# Altium PCB 6inch_mipi_V1.0.PcbDoc
Units mil, origin at the board's own origin, x right, y up, seen from the top; angles counter-clockwise.
Board outline 1181.1 x 1181.1 mil, 4 copper layers (Top Layer, GND, PWR, Bottom Layer), stack 23.756 mil thick; 33 components, 38 nets, 152 pads, 118 vias.
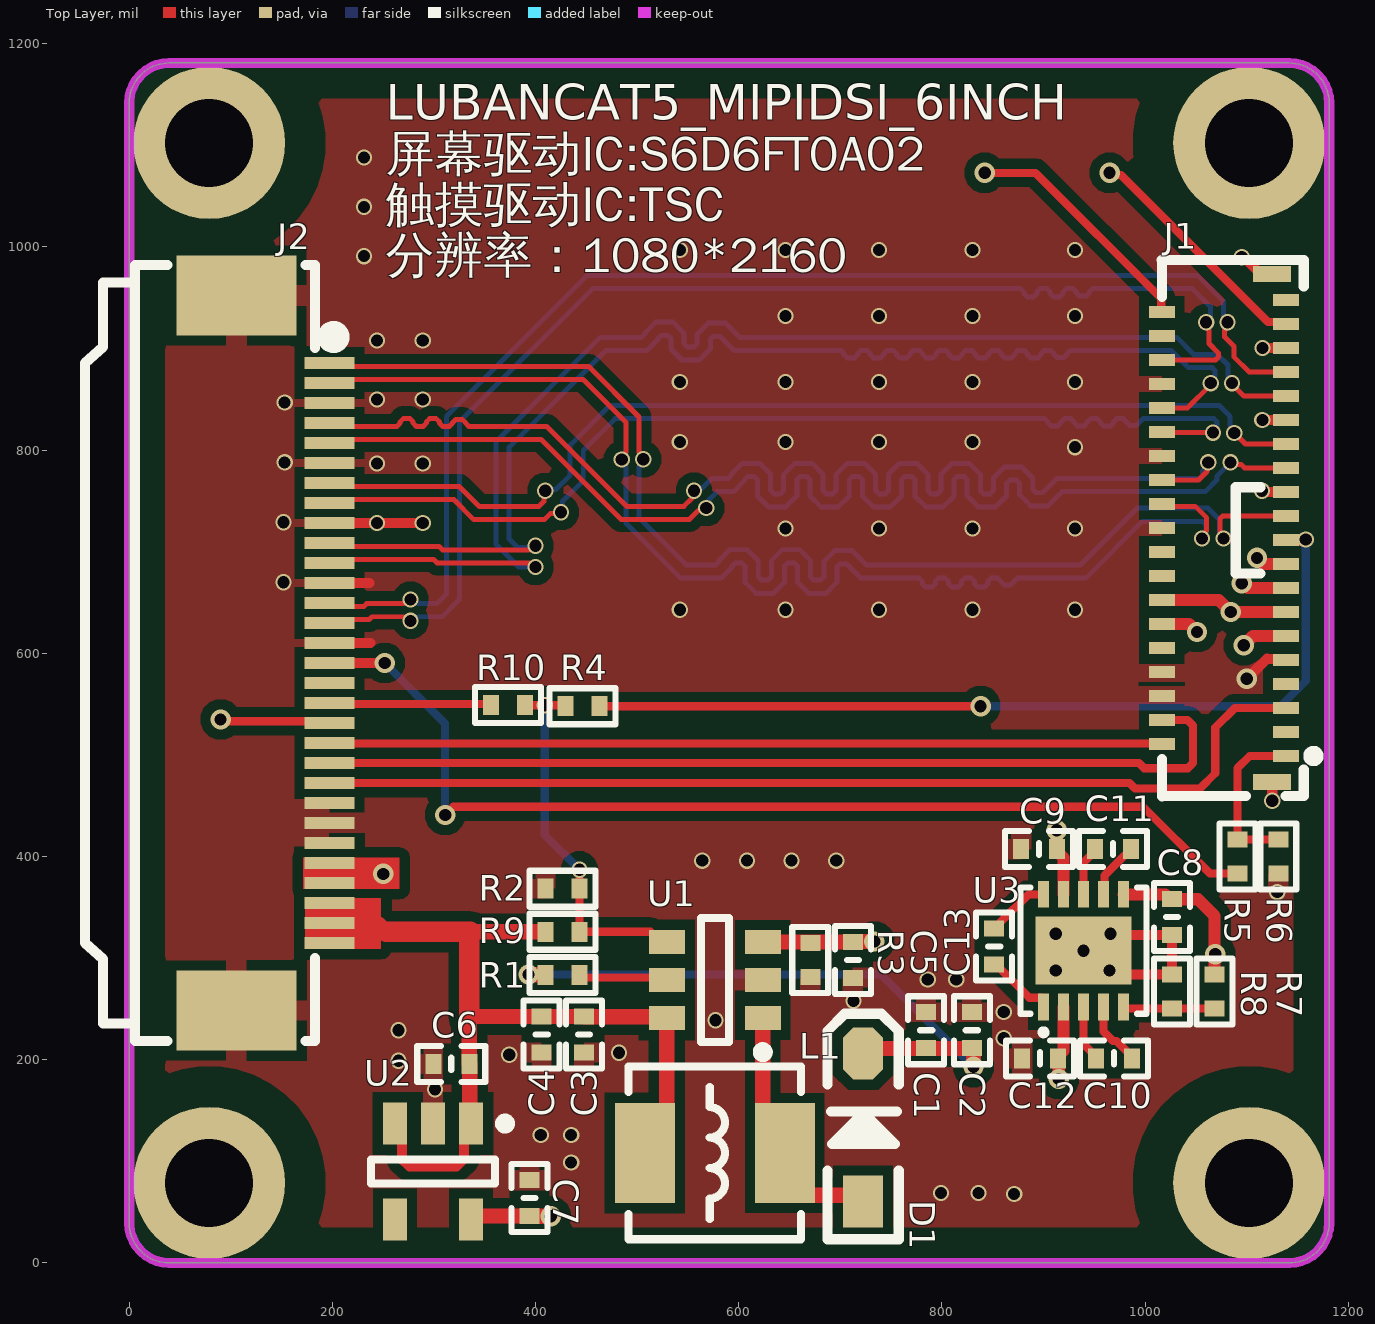
[diagram p0: Top Layer view]
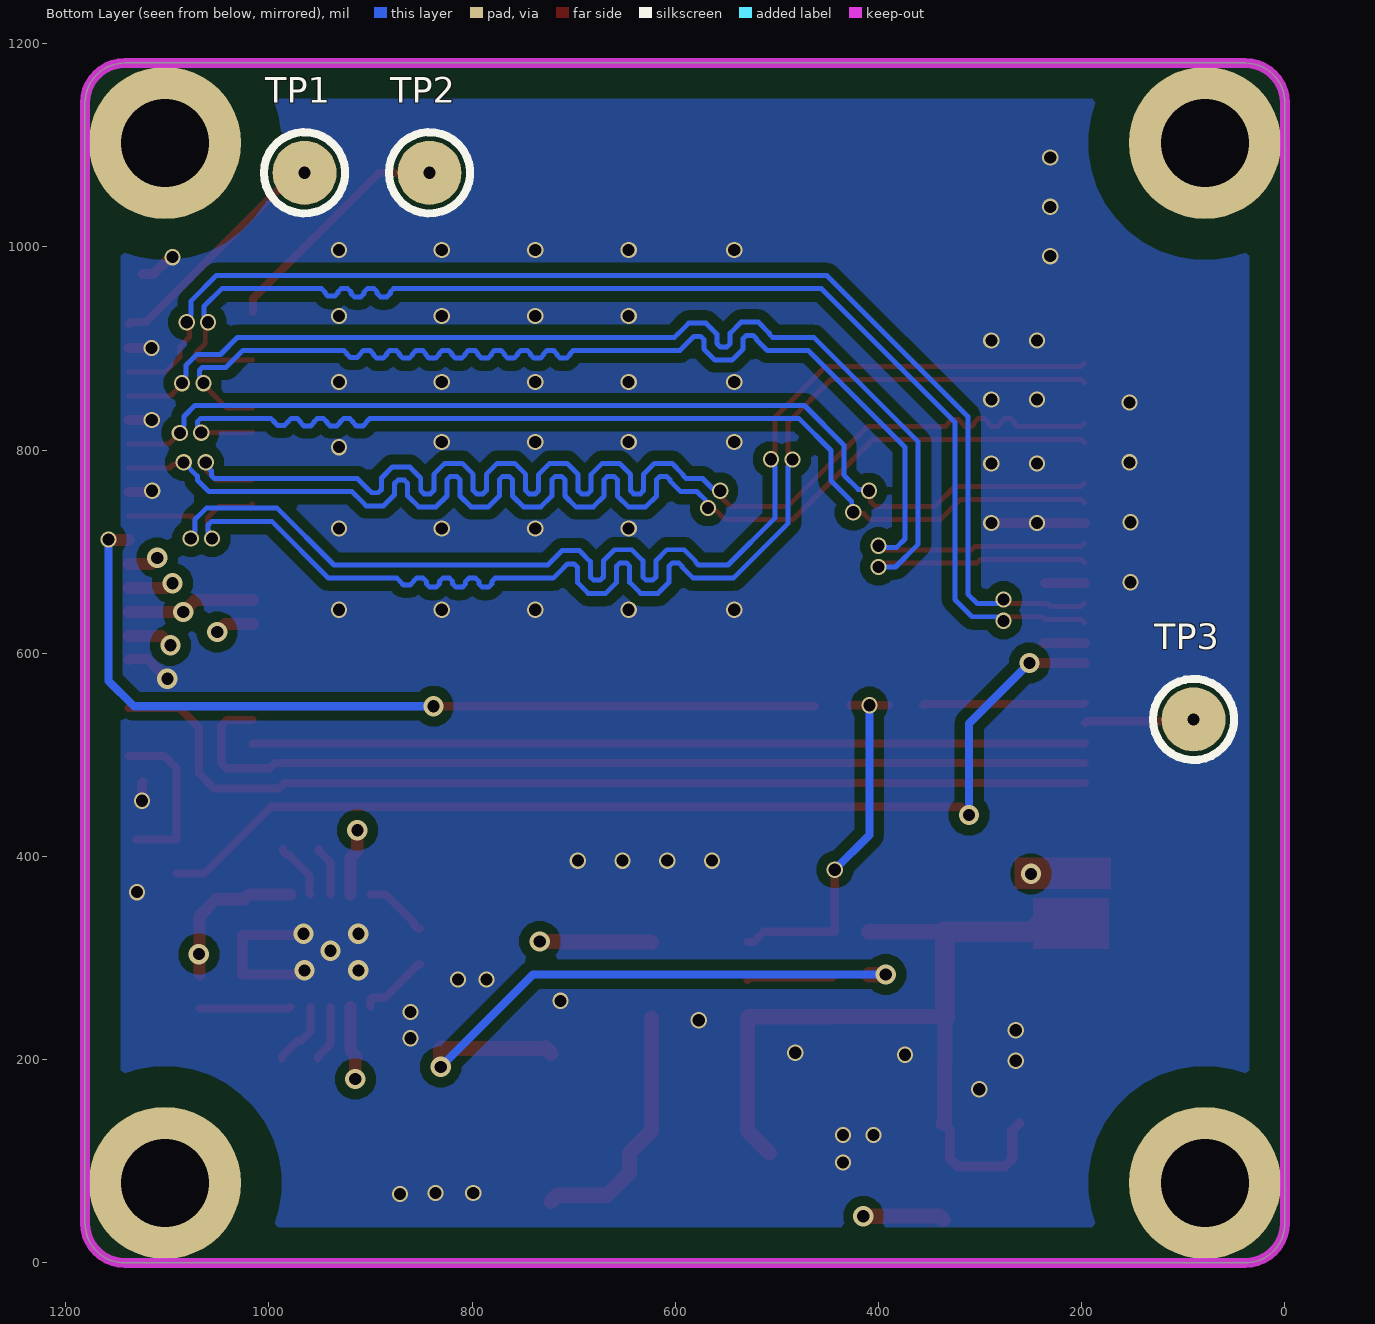
[diagram p1: Bottom Layer view, seen from below]
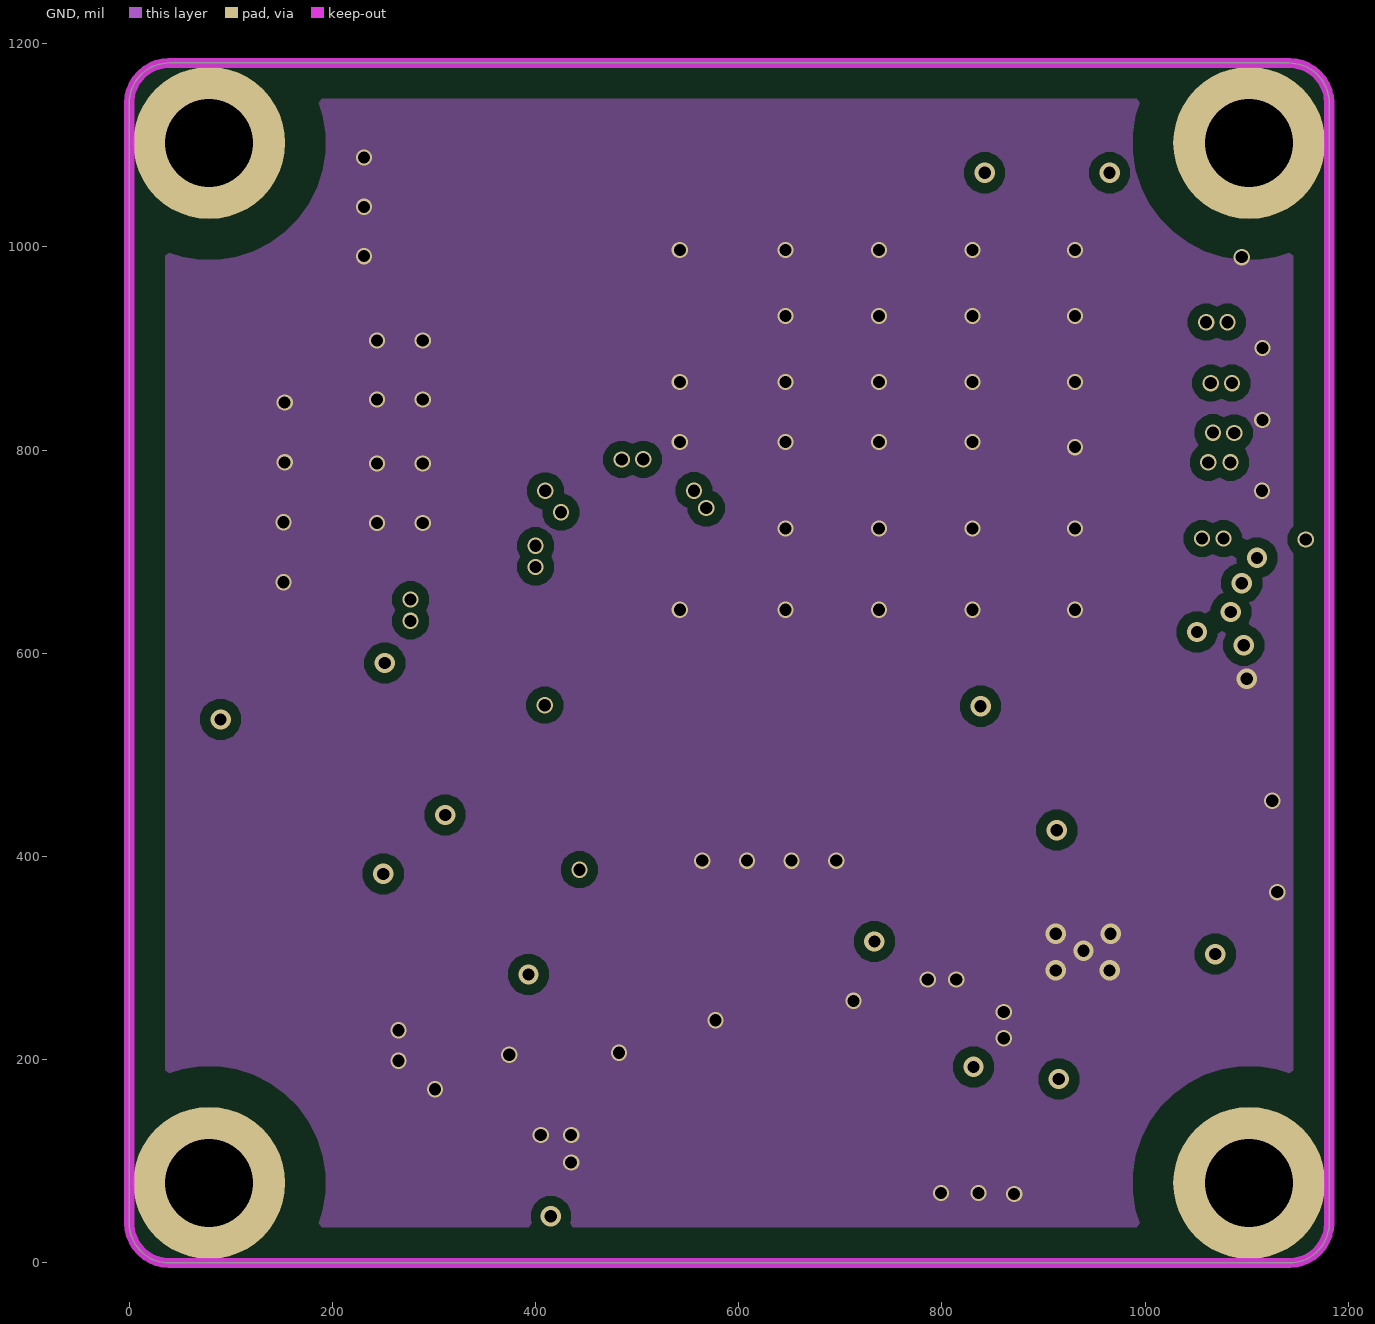
[diagram p2: GND]
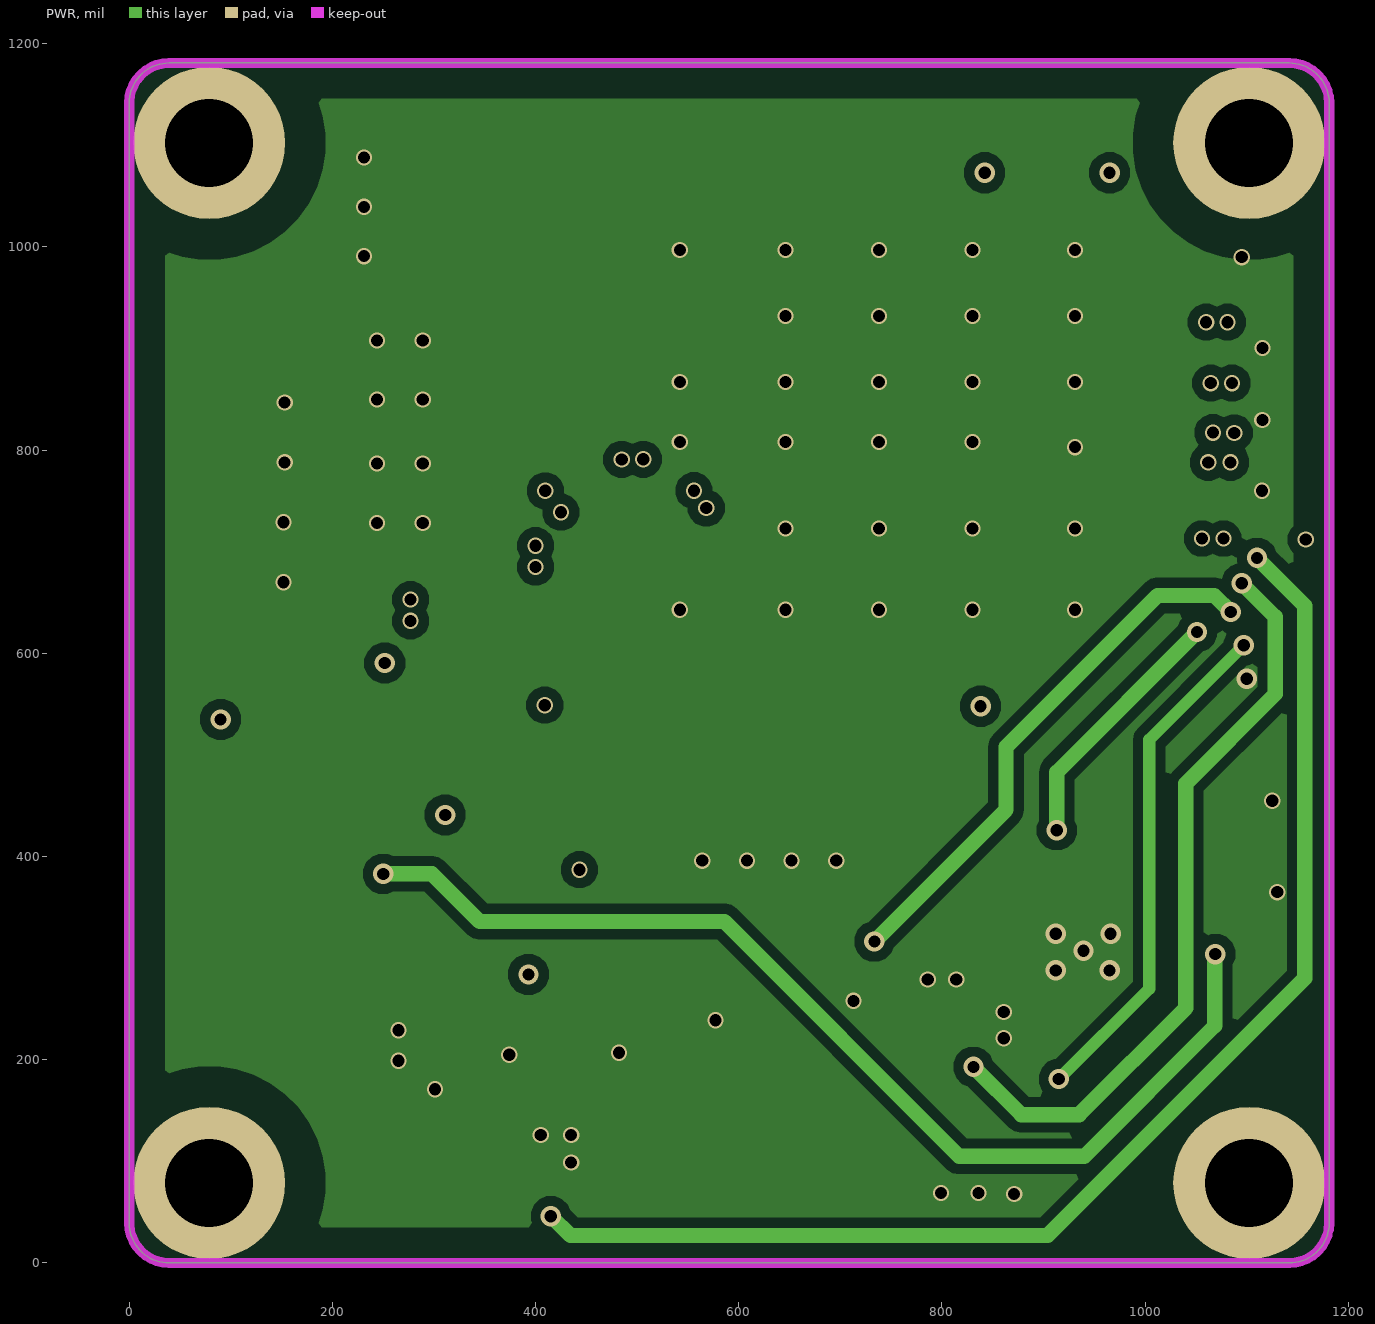
[diagram p3: PWR]
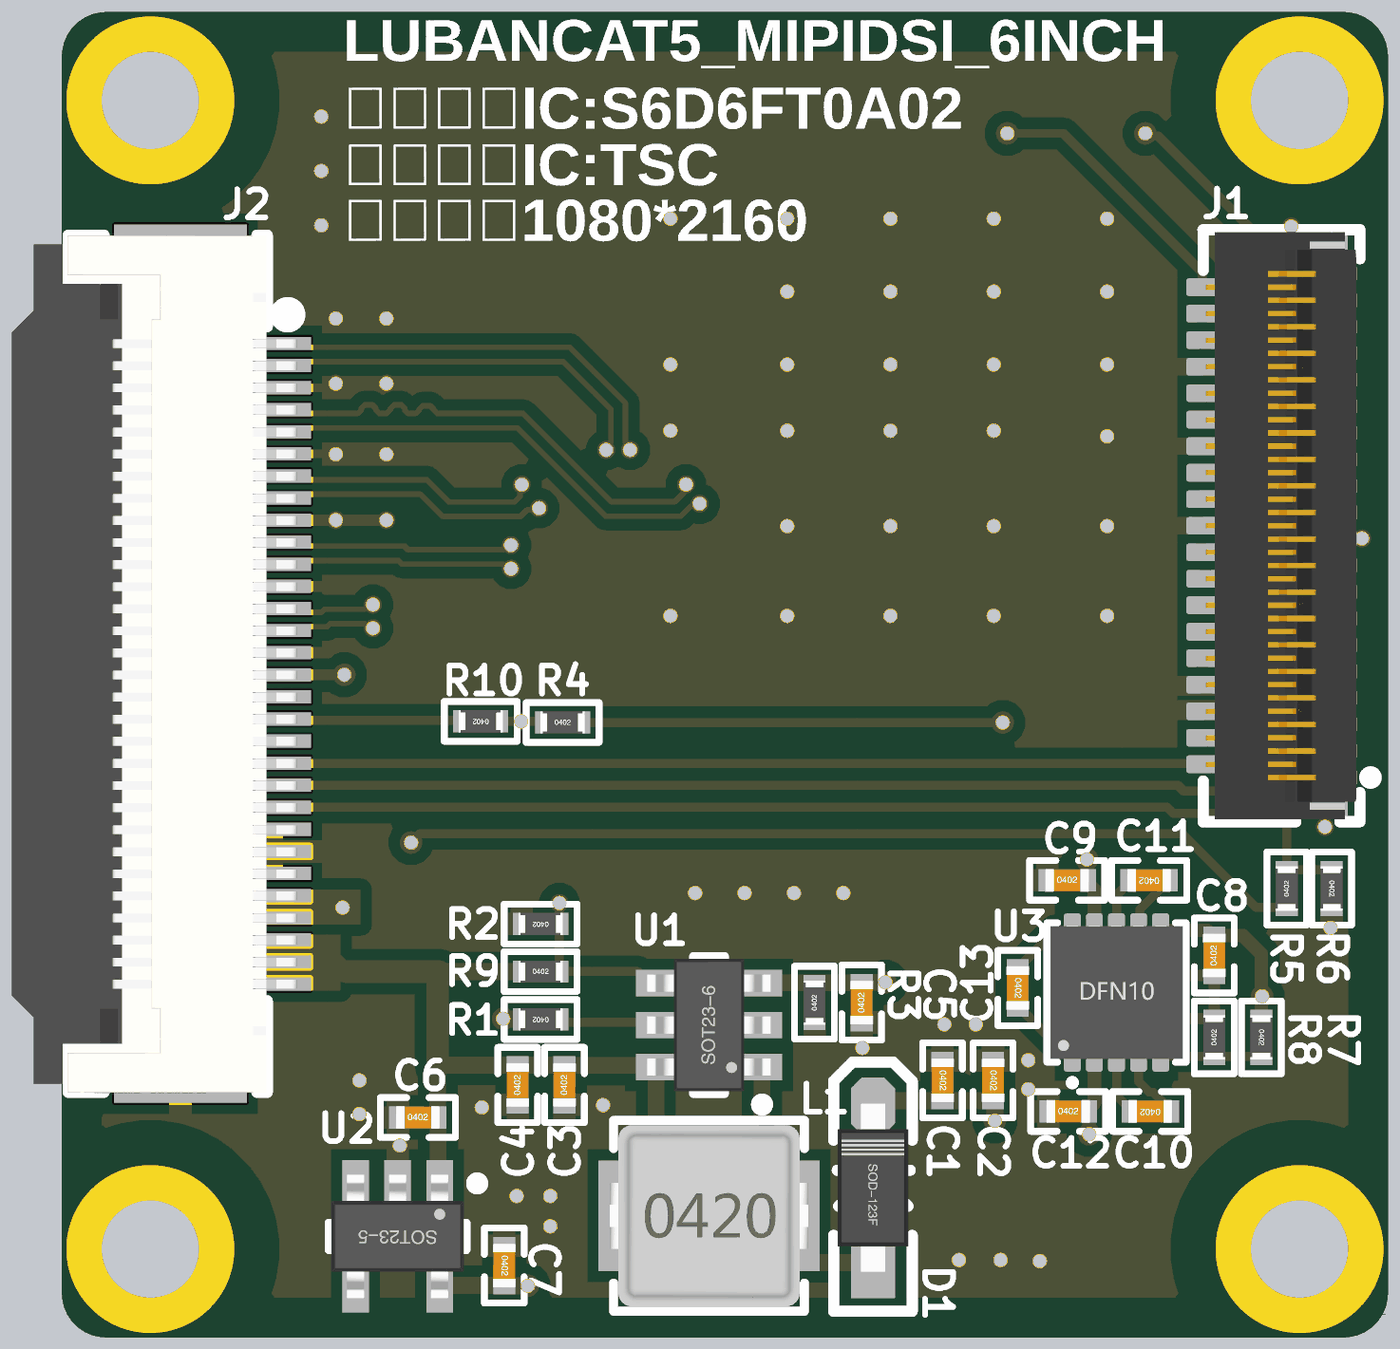
[diagram p4: 3D render of the assembled board from above, using the file's embedded part models]

## Layer stack, top to bottom
Top Solder: solder mask 0.4, Solder Resist, Dk 3.5
Top Layer: signal copper 1.4
Dielectric 2: prepreg 2.8, PP-006, Dk 4.1
GND: signal copper 1.378
Dielectric 1: dielectric 12.6, FR-4, Dk 4.8
PWR: signal copper 1.378
Dielectric 3: prepreg 2.8, PP-006, Dk 4.1
Bottom Layer: signal copper 1.4
Bottom Solder: solder mask 0.4, Solder Resist, Dk 3.5

## Board outline
0,39.37 ccw(c39.37,39.37) 39.37,0 1141.73,0 ccw(c1141.73,39.37) 1181.1,39.37 1181.1,1141.73 ccw(c1141.73,1141.73) 1141.73,1181.1 39.37,1181.1 ccw(c39.37,1141.73) 0,1141.73

## Design rules (kind name [scope] priority, off if disabled: settings)
AssemblyTestPointUsage AssemblyTestPointUsage_1 [All] p1:
AssemblyTestpoint AssemblyTestpoint_1 [All] p1: testpointundercomponent=TRUE minsize=40 maxsize=100 preferedsize=60 minholesize=0 maxholesize=40 preferedholesize=32 testpointgrid=1 usegrid=TRUE gridtolerance=0.01 allowsidetop=TRUE allowsidebottom=TRUE
Clearance Clearance_Isvia_To_Ploy [InPolygon vs IsVia] p1: gap=10 ignorepadtopadclearanceinfootprint=FALSE
Clearance Clearance_BGA [WithinRoom('BGA')] p2: gap=6 ignorepadtopadclearanceinfootprint=FALSE
Clearance Clearance_Isvia_To_Isvia [IsVia vs IsVia] p3: gap=5 ignorepadtopadclearanceinfootprint=FALSE
Clearance Clearance_Isvia_To_Ispad [IsVia vs IsPad] p4: gap=5 ignorepadtopadclearanceinfootprint=FALSE
Clearance Clearance_Isvia_To_Istrack [IsVia vs IsTrack] p5: gap=5 ignorepadtopadclearanceinfootprint=FALSE
Clearance Clearance_5VOUT1 [InNamedPolygon('5VOUT1_L01_P044')] p6: gap=5 ignorepadtopadclearanceinfootprint=FALSE
Clearance Clearance_5VOUT2 [InNamedPolygon('5VOUT2_L01_P041')] p7: gap=5 ignorepadtopadclearanceinfootprint=FALSE
Clearance Clearance_1 [OnSilkscreen vs OnSilkscreen] p8 off: gap=0 ignorepadtopadclearanceinfootprint=FALSE
Clearance Clearance_Key [InPolygon vs InComponent('K1') Or InComponent('K2') Or InComponent('K3')  Or InComponent('K4')  Or InComponent('K5')] p9: gap=40 ignorepadtopadclearanceinfootprint=FALSE except(0: Arc-Hole Track-Hole SMDPad-Hole THPad-Hole Via-Hole Fill-Hole Poly-Hole Region-Hole Text-Hole)
Clearance Clearance_HOLE [HasPad('free-0')Or HasPad('free-1')Or HasPad('free-2')Or HasPad('Free-3')Or HasPad('free-4')Or HasPad('free-5') vs InPolygon] p10: gap=40 ignorepadtopadclearanceinfootprint=FALSE except(0: Arc-Hole Track-Hole SMDPad-Hole THPad-Hole Via-Hole Fill-Hole Poly-Hole Region-Hole Text-Hole)
Clearance Clearance_Edge_Ploy [OnLayer('Keep-Out Layer') vs InPolygon] p11: gap=30 ignorepadtopadclearanceinfootprint=FALSE
Clearance Clearance-TRACK [IsTrack vs IsTrack] p12: gap=4 ignorepadtopadclearanceinfootprint=FALSE
Clearance [All vs (OnLayer('Keep-Out Layer'))] p13: gap=9 ignorepadtopadclearanceinfootprint=FALSE
Clearance Clearance_PLOY [InPolygon] p14: gap=10 ignorepadtopadclearanceinfootprint=FALSE
ComponentClearance [All] p1 off: gap=10 collisioncheckmode=3 verticalgap=10 showdistances=FALSE
DiffPairsRouting [All] p1: maxlimit=10 minlimit=8 mostfreqgap=8 toplayer_maxgap=8 toplayer_minwidth=4.9 toplayer_maxwidth=4.9 toplayer_prefwidth=4.9 midlayer1_minwidth=4.9 midlayer1_maxwidth=4.9 midlayer1_prefwidth=4.9 midlayer2_minwidth=4.9 midlayer2_maxwidth=4.9 midlayer2_prefwidth=4.9 bottomlayer_maxgap=8 bottomlayer_minwidth=4.9 bottomlayer_maxwidth=4.9 bottomlayer_prefwidth=4.9 maxuncoupledlength=500
FabricationTestPointUsage FabricationTestPointUsage_2 [All] p1: valid=0 allowmultiple=FALSE
FabricationTestpoint FabricationTestpoint_2 [All] p1: side=3 testpointundercomponent=TRUE minsize=40 maxsize=100 preferedsize=60 minholesize=0 maxholesize=40 preferedholesize=32 testpointgrid=1 allowsidetop=TRUE allowsidebottom=TRUE usegrid=TRUE gridtolerance=0.01
FanoutControl Fanout_TFBGA100 [WithinRoom('BGA')] p1: bgadir=SE bgaviamode=Centered fanoutstyle=BGA fanoutdirection=Alternating viagrid=1
FanoutControl Fanout_BGA [IsBGA] p2: bgadir=Out bgaviamode=Centered fanoutstyle=Auto fanoutdirection=Alternating viagrid=1 // Fanout_BGA (Default Rule)
FanoutControl Fanout_LCC [IsLCC] p3: bgadir=Out bgaviamode=Centered fanoutstyle=Auto fanoutdirection=Alternating viagrid=1 // Fanout_LCC (Default Rule)
FanoutControl Fanout_SOIC [IsSOIC] p4: bgadir=Out bgaviamode=Centered fanoutstyle=Auto fanoutdirection=Alternating viagrid=1 // Fanout_SOIC (Default Rule)
FanoutControl Fanout_Small [(CompPinCount < 5)] p5: bgadir=Out bgaviamode=Centered fanoutstyle=Auto fanoutdirection=OutThenIn viagrid=1 // Fanout_Small (Default Rule)
FanoutControl Fanout_Default [All] p6: bgadir=Out bgaviamode=Centered fanoutstyle=Auto fanoutdirection=Alternating viagrid=1 // Fanout_Default (Default Rule)
HoleSize [All] p1: absolutevalues=TRUE maxlimit=500 minlimit=1 maxpercent=80.000 minpercent=20.000
HoleSize Testpoint [All] p2: absolutevalues=TRUE maxlimit=100 minlimit=1 maxpercent=80.000 minpercent=20.000
HoleSize TestPointUsage [All] p3: absolutevalues=TRUE maxlimit=100 minlimit=1 maxpercent=80.000 minpercent=20.000
HoleSize FabricationTestpoint_1 [All] p4: absolutevalues=TRUE maxlimit=100 minlimit=1 maxpercent=80.000 minpercent=20.000
HoleSize FabricationTestPointUsage_1 [All] p5: absolutevalues=TRUE maxlimit=100 minlimit=1 maxpercent=80.000 minpercent=20.000
HoleSize FabricationTestpoint [All] p6: absolutevalues=TRUE maxlimit=100 minlimit=1 maxpercent=80.000 minpercent=20.000
HoleSize FabricationTestPointUsage [All] p7: absolutevalues=TRUE maxlimit=100 minlimit=1 maxpercent=80.000 minpercent=20.000
HoleToHoleClearance [All] p1: gap=0 allowstackedmicrovias=TRUE
MinimumSolderMaskSliver [All] p1: minsoldermaskwidth=0
MinimumSolderMaskSliver SilkscreenOverComponentPads_1 [All] p2: minsoldermaskwidth=10
MinimumSolderMaskSliver SilkToSolderMaskClearance [IsPad] p3: minsoldermaskwidth=10
MinimumSolderMaskSliver SilkscreenOverComponentPads [All] p4: minsoldermaskwidth=10
NetAntennae AssemblyTestpoint [All] p1: netantennaetolerance=0
NetAntennae [All] p2: netantennaetolerance=0
NetAntennae AssemblyTestPointUsage [All] p3: netantennaetolerance=0
NetAntennae UnpouredPolygon [All] p4: netantennaetolerance=0
NetAntennae SilkToBoardRegionClearance [All] p5: netantennaetolerance=0
PlaneConnect [All] p1: planeconnectstyle=Relief reliefexpansion=20 reliefentries=4 reliefconductorwidth=10 reliefairgap=20
PolygonConnect Polygon_Via_Connect [IsVia] p1: connectstyle=Direct reliefconductorwidth=12 reliefentries=4 polygonreliefangle="90 Angle" airgapwidth=10
PolygonConnect Polygon_Pad_Connect [All vs IsPad] p2: connectstyle=Relief reliefconductorwidth=20 reliefentries=4 polygonreliefangle="90 Angle" airgapwidth=10
RoutingCorners [All] p1: cornerstyle=90-Degree minsetback=100 maxsetback=100
RoutingVias RoutingVias_BGA [WithinRoom('BGA')] p1: holewidth=8 width=16 viastyle="Through Hole" minholewidth=8 minwidth=16 maxholewidth=8 maxwidth=16
RoutingVias RoutingVias_VDD [InNetClass('New VDD')] p2: holewidth=19.68 width=39.37 viastyle="Through Hole" minholewidth=19.68 minwidth=39.37 maxholewidth=28 maxwidth=50
RoutingVias [All] p3: holewidth=11.81 width=23.62 viastyle="Through Hole" minholewidth=11.81 minwidth=23.62 maxholewidth=28 maxwidth=50
SilkToBoardRegionClearance SilkToBoardRegionClearance_1 [All] p1:
SilkToSilkClearance [All] p1: silktosilkclearance=0
SilkToSolderMaskClearance SilkToSolderMaskClearance_1 [IsPad] p1: minsilkscreentomaskgap=0 clearancetoexposedcopper=TRUE
SolderMaskExpansion [IsVia] p1: expansion=4 istentingtop=TRUE soldermaskfromhole=TRUE
UnpouredPolygon UnpouredPolygon_1 [All] p1:
Width Width_BGA [WithinRoom('BGA')] p1: maxlimit=10 minlimit=5 preferedwidth=10 toplayer_prefwidth=8 midlayer1_maxwidth=5 midlayer2_maxwidth=5 bottomlayer_prefwidth=8 minimp=50.000000 maximp=50.000000 favimp=50.000000
Width Width_VDD [InNetClass('New VDD')] p2 off: maxlimit=100 minlimit=10 preferedwidth=50
Width [All] p3: maxlimit=85 minlimit=5 preferedwidth=8
9 further rules are at their usual default settings.

## Classes and differential pairs
differential pair MIPI_CLK: +MIPI_CLK_P -MIPI_CLK_N
differential pair MIPI3: +MIPI3_P -MIPI3_N
differential pair MIPI2: +MIPI2_P -MIPI2_N
differential pair MIPI1: +MIPI1_P -MIPI1_N
differential pair MIPI0: +MIPI0_P -MIPI0_N

## Components (designator, comment, footprint, x,y, rotation, side; value= is the part's Value field where it differs from the comment)
C1 "1uF" C0402_L 784.37,229.08 r270 top
C2 "104" C0402_L 829.37,229.08 r270 top
C3 "10uF" C0402_L 447.63,225 r90 top
C4 "104" C0402_L 406,225 r90 top
C5 "104" C0402_L 712.37,298.37 r90 top
C6 "1uF" C0402_L 317,196 r0 top
C7 "1uF" C0402_L 394,64 r270 top
C8 "10uF" C0402_L 1026.37,340.37 r90 top
C9 "10uF" C0402_L 895.37,407.37 r0 top
C10 "10uF" C0402_L 969.37,201.37 r180 top
C11 "10uF" C0402_L 968.37,407.36 r180 top
C12 "10uF" C0402_L 896.37,201.37 r0 top
C13 "10uF" C0402_L 851.37,311.37 r270 top
D1 "SS14" SOD-123F 722.37,133.37 r270 top
J1 "AFE03-S39FMA-1H" FPC-SMD_P0.30-39P_FGS-XJ-H1.0 1077.37,723.37 r90 top
J2 "GT-F0502SR20-30SMT01" FPC-SMD_30P-P0.50_GT-F0502SR20-30SMT01 151.37,600.37 r270 top
L1 "2.2uH" L-SMD-0420 576.37,108.37 r0 top
R1 "100K" R0402_L 426.37,283.37 r180 top
R2 "47K" R0402_L 426.37,368.37 r180 top
R3 "1.6R" R0402_L 670.37,298.37 r90 top
R4 "NC" R0402_L 446,548 r0 top
R5 "10K" R0402_L 1091,400 r90 top
R6 "10K" R0402_L 1131,400 r270 top
R7 "10K" R0402_L 1068.37,267.37 r270 top
R8 "10K" R0402_L 1026.37,267.37 r90 top
R9 "47K" R0402_L 426.37,326 r0 top
R10 "NC" R0402_L 373,549 r180 top
TP1 "TEST" "TEST 1.6" 965,1073 r180 bottom
TP2 "TEST" "TEST 1.6" 842,1073 r180 bottom
TP3 "TEST" "TEST 1.6" 90,535 r180 bottom
U1 "SY7200AABC" SOT23-6 576.37,278.37 r180 top
U2 "LP5907MFX-1.8/NOPB" SOT23-5 299,90 r270 top
U3 "LP3102QVF" TDFN-10_L3.0-W3.0-P0.50-BL-EP 939.37,307.37 r0 top

## Footprints (in the part's own frame and the unit in brackets; to place one, negate y for a bottom-side part, rotate by r counter-clockwise, add the part's x,y. Pads: shape width x height; smd on the part's side, far side on the other; paste and mask are expansions set on the pad)
C0402_L [mm] "贴片MLCC电容"
  rect 0.4x0.5 smd: 1(-0.45,0) 2(0.45,0)
  silkscreen extent -0.85,-0.45 0.85,0.45, body extent -0.5,-0.26 0.5,0.26, height 0.54
FPC-SMD_30P-P0.50_GT-F0502SR20-30SMT01 [mm]
  rect 0.3x1.25 smd paste+0 mask+0.05: 1(-7.25,1.162) 2(-6.75,1.162) 3(-6.25,1.162) 4(-5.75,1.162) 5(-5.25,1.162) 6(-4.75,1.162) 7(-4.25,1.162) 8(-3.75,1.162) 9(-3.25,1.162) 10(-2.75,1.162) 11(-2.25,1.162) 12(-1.75,1.162) 13(-1.25,1.162) 14(-0.75,1.162) 15(-0.25,1.162) 16(0.25,1.162) 17(0.75,1.162) 18(1.25,1.162) 19(1.75,1.162) 20(2.25,1.162) 21(2.75,1.162) 22(3.25,1.162) 23(3.75,1.162) 24(4.25,1.162) 25(4.75,1.162) 26(5.25,1.162) 27(5.75,1.162) 28(6.25,1.162) 29(6.75,1.162) 30(7.25,1.162)
  rect 2x3 smd paste+0 mask+0.05: 31(-8.94,-1.162) 32(8.94,-1.162)
  silkscreen extent -9.7,-4.95 9.7,1.46, body extent -9.69,-4.98 9.72,1.48, height 2.02
FPC-SMD_P0.30-39P_FGS-XJ-H1.0 [mm]
  rect 0.3x0.65 smd paste+0.051: 1(-5.7,-1.55) 2(-5.4,1.55) 3(-5.1,-1.55) 4(-4.8,1.55) 5(-4.5,-1.55) 6(-4.2,1.55) 7(-3.9,-1.55) 8(-3.6,1.55) 9(-3.3,-1.55) 10(-3,1.55) 11(-2.7,-1.55) 12(-2.4,1.55) 13(-2.1,-1.55) 14(-1.8,1.55) 15(-1.5,-1.55) 16(-1.2,1.55) 17(-0.9,-1.55) 18(-0.6,1.55) 19(-0.3,-1.55) 20(0,1.55) 21(0.3,-1.55) 22(0.6,1.55) 23(0.9,-1.55) 24(1.2,1.55) 25(1.5,-1.55) 26(1.8,1.55) 27(2.1,-1.55) 28(2.4,1.55) 29(2.7,-1.55) 30(3,1.55) 31(3.3,-1.55) 32(3.6,1.55) 33(3.9,-1.55) 34(4.2,1.55) 35(4.5,-1.55) 36(4.8,1.55) 37(5.1,-1.55) 38(5.4,1.55) 39(5.7,-1.55)
  rect 0.4x0.95 smd paste+0.051: 40(-6.35,-1.2) 41(6.35,-1.2)
  silkscreen extent -6.71,-2.37 6.7,1.55, body extent -6.65,-1.92 6.65,1.48, height 1
L-SMD-0420 [mm] "一体化成型电感                联系卖家 免费查找封装"
  rect 1.5x2.5 smd: 1(-1.75,0) 2(1.75,0)
  silkscreen extent -2.16,-2.16 2.16,2.16, body extent -2.25,-2.05 2.25,2.05
R0402_L [mm] "1/16W贴片电阻"
  rect 0.4x0.5 smd: 1(-0.425,0) 2(0.425,0)
  silkscreen extent -0.82,-0.45 0.83,0.45, body extent -0.5,-0.25 0.5,0.25, height 0.3
SOD-123F [mm] "2.7x1.6X1.1mm（长宽高，不包括引脚）联系卖家 免费查找封装"
  rect 1.3x1 smd: 1(1.85,0)
  oct 1.3x1 smd: 2(-1.85,0)
  silkscreen extent -2.84,-0.89 2.79,0.89, body extent -1.9,-0.8 1.9,0.8, height 1.15
SOT23-5 [mm] "SOT23, 5-Leads, Body 2.9x1.6mm, Pitch 0.95mm, IPC Medium Density                联系卖家 免费查找封装"
  rect 1.05x0.6 smd: 1(-1.2,0.95) 2(-1.2,0) 3(-1.2,-0.95) 4(1.2,-0.95) 5(1.2,0.95)
  silkscreen extent -1.32,-1.55 0.3,1.93, body extent -1.4,-1.5 1.4,1.5, height 1.15
SOT23-6 [mm] "SOT-23, 6-Leads, Body 2.90x1.60mm, Pitch 0.95mm, IPC High Density"
  rect 0.9x0.6 smd: 1(-1.2,0.95) 2(-1.2,0) 3(-1.2,-0.95) 4(1.2,-0.95) 5(1.2,0) 6(1.2,0.95)
  silkscreen extent -1.33,-1.55 0.35,1.92, body extent -1.4,-1.5 1.4,1.5, height 1.15
TDFN-10_L3.0-W3.0-P0.50-BL-EP [mm]
  rect 0.28x0.665 smd paste+0.051: 1(-1,-1.407) 2(-0.5,-1.407) 3(0,-1.407) 4(0.5,-1.407) 5(1,-1.407) 6(1,1.407) 7(0.5,1.407) 8(0,1.407) 9(-0.5,1.407) 10(-1,1.407)
  rect 2.4x1.7 smd paste+0.051: 11(0,0)
  silkscreen extent -1.58,-2.11 1.58,1.58, body extent -1.5,-1.51 1.5,1.51, height 0.91
"TEST 1.6" [mm] "测试点1.6mm"
  round 1.6 smd paste-1.6: 1(0,0)
  silkscreen extent -1.02,-1.02 1.01,1.02

## Part data
C1 C2 C3 C4 C5 C6 C7 C8 C9 C10 C11 C12 C13: library part C, "贴片电容/MLCC电容", BOM名称=无极性贴片电容, 联系卖家，免费查找封装=唯一出售店铺网址https://shop463601444.taobao.com
D1: "肖特基二极管", BOM名称=肖特基二极管, 以赠品形式获赠本封装库的买家，还可联系卖家免费指导AD软件使用=封装库来自淘宝卖家ID：黄晶宝石, 属性=40V/1A
J1: "FPC座下接 0.3mm 39P"
J2: "FPC座下接 0.5mm 30P"
L1: library part L, "贴片小功率电感", BOM名称=小功率贴片电感, 联系卖家，免费查找封装=唯一出售店铺网址https://shop463601444.taobao.com
R1 R2 R3 R4 R5 R6 R7 R8 R9 R10: library part R, "贴片电阻", BOM名称=贴片电阻, 联系卖家，免费查找封装=唯一出售店铺网址https://shop463601444.taobao.com
TP1 TP2 TP3: "测试点", BOM名称=测试点, 封装库来自淘宝卖家ID：黄晶宝石=其他店铺购入的，请立即申请退款，本店现金奖励20~500元, 联系卖家，免费查找封装=唯一出售店铺网址https://shop463601444.taobao.com
U1: "30V 2A LED驱动芯片"
U2: "1.8V LDO芯片"
U3: "双路电荷泵DC/DC"

## Free pads (board coordinates)
  round 149.61 hole 86.61: 0(78.74,78.74) 0(78.74,1102.36) 0(1102.36,78.74) 0(1102.36,1102.36)

## Via types
v1: diameter 16, hole 12, Top Layer to Bottom Layer, tented both sides, 93 vias
v2: diameter 20, hole 12, Top Layer to Bottom Layer, tented both sides, 25 vias

## Nets (pads, with @x,y where several pads share a name; then routed paths per layer and width w, separated by ;. In a path a pad name is that pad's centre, name@x,y a point inside that pad or via, vN(x,y) a via of type N, cw(c..) or ccw(c..) an arc to the next point about the centre after c; other vN are vias at no path point)
GND: C1.1 C2.1 C3.1 C4.1 C5.1 C6.1 C7.1 C8.1 C9.1 C12.1 J1.6 J1.8 J1.9 J1.20 J1.23 J1.26 J1.29 J1.32 J1.35 J1.40 J1.41 J2.3 J2.6 J2.9 J2.12 J2.15 J2.23 J2.24 J2.25 J2.31 J2.32 R2.2 R3.1 R6.2 R8.2 U1.2 U2.2 U3.11 | length 500.1
  Top Layer w10: J2.15 237.46,610.21 ; J2.12 236.26,669.26 ; J2.9 v1(244,728.32) v1(289,728.32) ; v2(965,288) 968.9,284.1 R8.2 C8.1 967.35,322.65 v2(966,324) ; v1(1095,990) 1096.15,988.85 1098.3,988.85 1113.78,973.37 J1.41 ; v2@1105,580 1120,595 1120.64,594.36 1137.48,594.36 J1.9 ; v1(1115,760) 1116.19,758.81 J1.23 ; v1@1115,830 v1(1115.33,829.67) J1.29 ; v1@1115,900 v1(1115.54,900.54) J1.35 ; J1.40 1125,472.98 v1(1125,455)
  other v1: 871,68 799,69 836,69 435,99 405,126 435,126 301,171 265,199 374,205 482,207 860.78,221.21 265,229 577,239 860.78,247 713,258 786,279 814,279 1130,365 564,396 608,396 652,396 696,396 542,643 646,643 738,643 830,643 931,643 152,670 646,723 738,723 830,723 931,723 152,729 244,787 289,787 153,788 931,803 542,808 646,808 738,808 830,808 153,847 244,850 289,850 542,867 646,867 738,867 830,867 931,867 244,908 289,908 646,932 738,932 830,932 931,932 231,991 542,997 646,997 738,997 830,997 931,997 231,1039.5 231,1088
  other v2: 912,288 939.37,307.37 912,324 1100,575
ID1: J1.38 TP2.1 | length 238.5
  Top Layer w8: v2(842,1073) 892,1073 1015.81,949.19 1015.81,936.51 J1.38
ID2: J1.37 TP1.1 | length 235
  Top Layer w8: v2(965,1073) 967.3,1070.7 976.3,1070.7 1120.93,926.07 1136.48,926.07 J1.37
IOVCC1V8: C7.2 J1.17 U2.5 | length 1399.2
  Top Layer w12: v2(1110,694) 1115.97,688.03 1138.3,688.03 J1.17
  Top Layer w15: U2.5 339.93,46.29 C7.2 394.28,46 v2(415,46)
  PWR w15: v2(415,46) 415.29,46 434.29,27 904,27 1157,280 1157,647 v2(1110,694)
LCD_RST: J2.16 R5.1 | length 1039.1
  Top Layer w8: v2(311,441) 319,449 998,449 1063.73,383.27 R5.1
  Top Layer w10: J2.16 v2(251.52,590.52)
  Bottom Layer w8: v2(251.52,590.52) 311,531.04 v2(311,441)
LED_A: C1.2 C2.2 D1.2 J1.15 R1.2 | length 1407.8
  Top Layer w12: v2(1095,669) 1096.35,669 1101.03,664.32 J1.15
  Top Layer w15: v2(393,284) 393.31,283.69 409.32,283.69 R1.2 ; D1.2 728.17,212 729.17,211 829,211 C2.2 830.63,211.37 831,211 v2(831,193)
  PWR w15: v2(831,193) 878,146 935,146 1040,251 1040,472 1128,560 1128,636 v2(1095,669)
  Bottom Layer w8: v2(393,284) 740,284 v2(831,193)
LED_K1: C5.2 J1.13 J1.14 R3.2 U1.3 | length 772.8
  Top Layer w12: J1.14 1072.49,652.51 v2(1084.3,640.7) J1.13
  Top Layer w15: U1.3 623.77,315.93 712.22,315.93 C5.2 712.75,316.46 v2(733.46,316.46) v2@734,317
  PWR w15: v2(733.46,316.46) 863,446 863,508 1012,657 1068,657 v2(1084.3,640.7)
MIPI0_N: J1.24 J2.4 | length 1248.1
  Top Layer w4.9: J2.4 200.53,823.36 261,823.36 263.45,823.36 266.68,826.58 266.68,827.86 269.9,831.09 276.35,831.09 279.58,827.86 279.58,826.58 282.8,823.36 289.25,823.36 292.48,826.58 292.48,827.86 295.7,831.09 302.15,831.09 305.38,827.86 305.38,826.58 308.6,823.36 315.05,823.36 318.28,826.58 318.28,827.03 321.5,830.26 327.95,830.26 331.18,827.03 331.18,826.58 334.4,823.36 366,823.36 410.89,823.36 489.54,744.71 545.95,744.71 553.76,752.52 553.76,758.03 v1(555.89,760.16) ; J1.24 1052.49,770.62 1060.89,779.02 1060.89,786.74 v1(1062.16,788)
  Bottom Layer w4.9: v1(555.89,760.16) 558.01,762.28 563.52,762.28 573.35,772.1 583.17,772.1 589.4,772.1 592.63,775.33 592.63,776.32 603.41,787.1 620.55,787.1 631.33,776.32 631.33,760.33 634.55,757.1 641,757.1 644.23,760.33 644.23,776.32 655.01,787.1 672.14,787.1 682.93,776.32 682.93,760.33 686.15,757.1 692.6,757.1 695.83,760.33 695.83,776.32 706.61,787.1 723.74,787.1 734.53,776.32 734.53,760.33 737.75,757.1 744.2,757.1 747.43,760.33 747.43,776.32 758.21,787.1 775.35,787.1 786.13,776.32 786.13,760.33 789.35,757.1 795.8,757.1 799.03,760.33 799.03,776.32 809.81,787.1 826.94,787.1 837.73,776.32 837.73,760.33 840.95,757.1 847.4,757.1 850.63,760.33 850.63,772.63 861.41,783.41 878.55,783.41 889.33,772.63 889.33,761.32 892.55,758.09 899,758.09 902.23,761.32 913.01,772.1 946,772.1 1053.73,772.1 1056.61,774.97 1056.61,779.45 1062.16,785 v1(1062.16,788)
MIPI0_P: J1.25 J2.5 | length 1250.3
  Top Layer w4.9: J2.5 200.53,810.46 405.55,810.46 484.19,731.81 551.29,731.81 560.36,740.88 565.88,740.88 v1(568,743) ; v1(1084,788) 1086.12,785.88 1094.4,785.88 1097.85,782.43 J1.25
  Bottom Layer w4.9: v1(568,743) 570.12,745.12 570.12,750.64 578.69,759.2 583.17,759.2 594.74,759.2 605.53,769.98 605.53,770.98 608.75,774.2 615.2,774.2 618.43,770.98 618.43,754.98 629.21,744.2 646.35,744.2 657.13,754.98 657.13,770.98 660.35,774.2 666.8,774.2 670.03,770.98 670.03,754.98 680.81,744.2 697.94,744.2 708.73,754.98 708.73,770.98 711.95,774.2 718.4,774.2 721.63,770.98 721.63,754.98 732.41,744.2 749.55,744.2 760.33,754.98 760.33,770.98 763.55,774.2 770,774.2 773.23,770.98 773.23,754.98 784.01,744.2 801.14,744.2 811.93,754.98 811.93,770.98 815.15,774.2 821.6,774.2 824.83,770.98 824.83,754.98 835.61,744.2 852.74,744.2 863.53,754.98 863.53,767.28 866.75,770.51 873.2,770.51 876.43,767.28 876.43,755.97 887.21,745.19 904.35,745.19 915.13,755.97 918.35,759.2 946,759.2 1059.08,759.2 1070.48,770.6 1070.48,774.48 v1(1084,788)
MIPI1_N: J1.30 J2.10 | length 1252.7
  Top Layer w4.9: J2.10 200.53,705.24 305.04,705.24 308.33,701.95 392.95,701.95 397,706 v1(400,706) ; J1.30 1041.48,841.48 1064.51,864.51 v1(1064.51,866)
  Bottom Layer w4.9: v1(400,706) 398.4,704.4 382.2,704.4 374,712.6 374,803 469.1,898.1 498,898.1 509.57,898.1 520.35,908.88 520.35,909.88 523.58,913.1 530.03,913.1 533.25,909.88 533.25,899.51 544.04,888.73 561.17,888.73 571.95,899.51 571.95,908.88 575.18,912.11 581.63,912.11 584.85,908.88 595.64,898.1 619,898.1 685.2,898.1 700.56,898.1 703.78,894.88 703.78,893.85 707.01,890.62 713.46,890.62 716.68,893.85 716.68,894.88 719.91,898.1 726.36,898.1 729.58,894.88 729.58,893.85 732.81,890.62 739.26,890.62 742.48,893.85 742.48,894.88 745.71,898.1 752.16,898.1 755.38,894.88 755.38,893.85 758.61,890.62 765.06,890.62 768.28,893.85 768.28,894.88 771.51,898.1 777.96,898.1 781.18,894.88 781.18,893.85 784.41,890.62 790.86,890.62 794.08,893.85 794.08,894.88 797.31,898.1 803.76,898.1 806.98,894.88 806.98,893.85 810.21,890.62 816.66,890.62 819.88,893.85 819.88,894.88 823.11,898.1 829.56,898.1 832.78,894.88 832.78,893.85 836.01,890.62 842.46,890.62 845.68,893.85 845.68,894.88 848.91,898.1 855.36,898.1 858.58,894.88 858.58,893.85 861.81,890.62 868.26,890.62 871.48,893.85 871.48,894.88 874.71,898.1 881.16,898.1 884.38,894.88 884.38,893.85 887.61,890.62 894.06,890.62 897.28,893.85 897.28,894.88 900.51,898.1 906.96,898.1 910.18,894.88 910.18,894.37 913.41,891.15 919.86,891.15 923.08,894.37 923.08,894.88 926.31,898.1 1010.71,898.1 1025.66,898.1 1042.41,881.35 1065.69,881.35 1068.56,878.48 1068.56,873.05 1064.51,869 v1(1064.51,866)
MIPI1_P: J1.31 J2.11 | length 1246.2
  Top Layer w4.9: J2.11 200.53,692.34 299.69,692.34 302.98,689.05 392.95,689.05 397,685 v1(400,685) ; v1@1089.42,860.88 1097,853.29 J1.31
  Bottom Layer w4.9: v1(400,685) 383.36,685 361.1,707.26 361.1,808.34 463.76,911 498,911 504.23,911 507.45,914.22 507.45,915.22 518.24,926 535.37,926 546.15,915.22 546.15,904.85 549.38,901.63 555.83,901.63 559.05,904.85 559.05,914.23 569.84,925.01 586.97,925.01 597.75,914.23 600.98,911 619,911 737.69,911 1031,911 1047.75,894.25 1071.04,894.25 1081.46,883.82 1081.46,873.05 1085.51,869 v1(1085.51,866)
MIPI2_N: J1.33 J2.13 | length 1251
  Top Layer w4.9: J2.13 200.53,646.19 230.9,646.19 233.67,648.95 269.95,648.95 274,653 v1(277,653) ; v1(1081,926) 1078.88,923.88 1078.88,918.19 1078.26,917.58 1078.26,911.41 1087.58,902.09 1087.58,891.6 1102.26,876.92 J1.33
  Bottom Layer w4.9: v1(277,653) 280,653 284.05,648.95 302.71,648.95 312.1,658.34 312.1,833.1 450.9,971.9 1051.74,971.9 1076.95,946.69 1076.95,933.05 1081,929 v1(1081,926)
MIPI2_P: J1.34 J2.14 | length 1254
  Top Layer w4.9: J2.14 200.53,633.29 236.25,633.29 239.01,636.05 269.95,636.05 274,632 v1(277,632) ; J1.34 1069.18,888.73 1072.05,891.6 1072.05,895.66 1062.74,904.98 1062.74,917.58 1062.12,918.19 1062.12,923.88 v1(1060,926)
  Bottom Layer w4.9: v1(277,632) 280,632 284.05,636.05 308.05,636.05 325,653 325,827.76 456.24,959 862,959 877.35,959 880.58,955.78 880.58,954.14 883.8,950.92 890.25,950.92 893.48,954.14 893.48,955.78 896.7,959 903.15,959 906.38,955.78 906.38,954.14 909.6,950.92 916.05,950.92 919.28,954.14 919.28,955.78 922.5,959 928.95,959 932.18,955.78 932.18,954.87 935.4,951.64 941.85,951.64 945.08,954.87 945.08,955.78 948.3,959 966.99,959 1046.4,959 1064.05,941.35 1064.05,933.05 1060,929 v1(1060,926)
MIPI3_N: J1.21 J2.1 | length 1253.8
  Top Layer w4.9: J2.1 200.53,882.41 452.18,882.41 501.86,832.74 501.86,798.15 506,794 v1(506,791) ; v1(1077,713) 1077,716 1073.45,719.55 1073.45,732.31 1076.32,735.18 J1.21
  Bottom Layer w4.9: v1(506,791) 506,788 501.86,783.85 501.86,733.39 548.24,687 571,687 577.23,687 580.45,690.23 580.45,691.22 591.24,702 608.37,702 619.15,691.22 619.15,675.23 622.38,672 628.83,672 632.05,675.23 632.05,691.22 642.84,702 659.97,702 670.75,691.22 670.75,675.23 673.98,672 680.43,672 683.65,675.23 683.65,690.32 694.44,701.1 711.57,701.1 722.35,690.32 722.35,690.23 725.58,687 749,687 936,687 991.9,742.9 1061.74,742.9 1066.3,738.34 1072.95,731.69 1072.95,720.05 1077,716 v1(1077,713)
MIPI3_P: J1.22 J2.2 | length 1254.6
  Top Layer w4.9: J2.2 200.53,869.51 446.84,869.51 488.96,827.39 488.96,798.03 484.82,793.89 v1(484.82,790.88) ; J1.22 1018.57,744.78 1049.22,744.78 1060.55,733.45 1060.55,720.55 1056,716 v1(1056,713)
  Bottom Layer w4.9: v1(484.82,790.88) 484.82,787.88 488.96,783.74 488.96,728.04 542.9,674.1 571,674.1 582.57,674.1 593.35,684.88 593.35,685.88 596.58,689.1 603.03,689.1 606.25,685.88 606.25,669.88 617.04,659.1 634.17,659.1 644.95,669.88 644.95,685.88 648.18,689.1 654.63,689.1 657.85,685.88 657.85,669.88 668.64,659.1 685.77,659.1 696.55,669.88 696.55,684.97 699.78,688.2 706.23,688.2 709.45,684.97 709.45,684.88 720.24,674.1 749,674.1 762,674.1 777.35,674.1 780.58,670.88 780.58,668.39 783.8,665.16 790.25,665.16 793.48,668.39 793.48,670.88 796.7,674.1 803.15,674.1 806.38,670.88 806.38,668.39 809.6,665.16 816.05,665.16 819.28,668.39 819.28,670.88 822.5,674.1 828.95,674.1 832.18,670.88 832.18,668.39 835.4,665.16 841.85,665.16 845.08,668.39 845.08,670.88 848.3,674.1 854.75,674.1 857.98,670.88 857.98,670.55 861.2,667.32 867.65,667.32 870.88,670.55 870.88,670.88 874.1,674.1 928.17,674.1 941.34,674.1 997.24,730 1056.4,730 1060.05,726.35 1060.05,720.05 1056,716 v1(1056,713)
MIPI_CLK_N: J1.27 J2.7 | length 1037.5
  Top Layer w4.9: J2.7 200.53,764.3 324.84,764.3 344.58,744.55 403.2,744.55 408.15,749.49 408.15,758.6 v1(409.55,760) ; v1(1087.71,817) 1098.66,806.05 J1.27
  Bottom Layer w4.9: v1(409.55,760) 410.95,761.4 420.06,761.4 434,775.35 434,805 472.9,843.9 1072.97,843.9 1083.67,833.21 1083.67,824.05 1087.71,820 v1(1087.71,817)
MIPI_CLK_P: J1.28 J2.8 | length 1037.2
  Top Layer w4.9: J2.8 200.53,751.4 319.5,751.4 339.24,731.65 408.55,731.65 414.49,737.6 423.6,737.6 v1(425,739) ; J1.28 1016.64,817.57 1066.43,817.57 v1(1066.72,817.28)
  Bottom Layer w4.9: v1(425,739) 426.4,740.4 426.4,749.51 446.9,770 446.9,799.66 478.24,831 885.68,831 901.03,831 904.26,827.78 904.26,827.09 907.48,823.86 913.93,823.86 917.16,827.09 917.16,827.78 920.38,831 926.83,831 930.06,827.78 930.06,827.09 933.28,823.86 939.73,823.86 942.96,827.09 942.96,827.78 946.18,831 952.63,831 955.86,827.78 955.86,827.09 959.08,823.86 965.53,823.86 968.76,827.09 968.76,827.78 971.98,831 978.43,831 981.66,827.78 981.66,827.45 984.88,824.22 991.33,824.22 994.56,827.45 994.56,827.78 997.78,831 1049.81,831 1067.63,831 1070.5,828.13 1070.5,824.07 1066.72,820.29 v1(1066.72,817.28)
NetC10_1: C10.1 U3.4 | length 64.2
  Top Layer w8: U3.4 959.06,227.94 968.47,218.53 971.9,218.53 987.09,203.34 C10.1
NetC10_2: C10.2 U3.3 | length 55.7
  Top Layer w8: U3.3 939.37,215.63 951.66,203.34 C10.2
NetC11_1: C11.1 U3.7 | length 56.9
  Top Layer w8: U3.7 960.07,363.79 960.07,381.35 980.24,401.52 982.21,401.52 986.09,405.4 C11.1
NetC11_2: C11.2 U3.8 | length 49.3
  Top Layer w8: U3.8 939.37,394.11 950.66,405.4 C11.2
NetC13_1: C13.1 U3.10 | length 63.7
  Top Layer w8: C13.1 853.34,329.09 857.21,332.96 857.21,334.93 885.06,362.78 U3.10
NetC13_2: C13.2 U3.1 | length 70.3
  Top Layer w8: C13.2 853.34,293.66 885.94,261.05 898.49,261.05 900,259.54 U3.1
NetD1_1: D1.1 L1.2 U1.1 | length 250
  Top Layer w15: U1.1 623.61,130.02 L1.2 645.27,88.69 667.3,66.66 716.25,66.66 D1.1
NetJ1_1: J1.1 R5.2 R6.1 | length 162.6
  Top Layer w8: R6.1 R5.2 1091,487 1102.96,498.96 J1.1
NetJ1_19: J1.19 R4.2 | length 864.4
  Top Layer w8: R4.2 v2(838,548)
  Top Layer w12: J1.19 1138.48,711.65 1157.65,711.65 v1(1158,712)
  Bottom Layer w8: v2(838,548) 1133,548 1158,573 v1(1158,712)
NetJ2_18: J2.18 R10.2 | length 160
  Top Layer w8: J2.18 198.21,550.08 355.19,550.08 R10.2
NetR1_1: R1.1 U1.5 | length 88.1
  Top Layer w8: R1.1 445.6,280.87 526.63,280.87 U1.5
NetR7_2: R7.2 R8.1 U3.5 | length 90.2
  Top Layer w8: U3.5 980.06,250.64 R8.1 R7.2
PWMO: R2.1 R4.1 R9.2 R10.1 U1.4 | length 365.9
  Top Layer w8: R10.1 v1(409,549) R4.1@428.27,549 ; v1(443.1,387.1) R2.1 R9.2 512.99,326 523.22,315.77 U1.4
  Bottom Layer w8: v1(409,549) 409,421.2 v1(443.1,387.1)
TP_INT: J1.2 J2.20 | length 819.6
  Top Layer w8: J2.20 197.64,511.28 1015.85,511.28 J1.2
TP_RST: J2.19 TP3.1 | length 108.6
  Top Layer w8: v2(90,535) 91.76,533.24 195.37,533.24 J2.19
TP_SCL: J1.5 J2.22 | length 1002.7
  Top Layer w8: J2.22 984.59,472.41 990,467 1054,467 1069,482 1069,527 1088.21,546.21 J1.5
TP_SDA: J1.4 J2.21 | length 923.9
  Top Layer w8: J2.21 993.9,492.1 999,487 1042,487 1047,492 1047,529 1041.6,534.4 J1.4
VCC3V3: C8.2 J2.26 J2.27 R7.1 U3.6 | length 1213.5
  Top Layer w12: U3.6 1019.71,362.78 1024.4,358.08 1051.92,358.08 1068.37,341.63 R7.1
  PWR w15: v2(250,383) 298,383 345,336 586,336 817,105 940,105 1068.5,233.5 1068.5,303.5 v2(1069,304)
VCC5V: C3.2 C4.2 C6.2 J2.28 J2.29 J2.30 L1.1 R9.1 U1.6 U2.1 U2.3 | length 895.2
  Top Layer w10: U2.3 268.41,130.43 268.41,102.59 276,95 322,95 329.59,102.59 329.59,130.43 U2.1
  Top Layer w15: J2.29@210.5,334 244.71,334 252.71,326 231,326 ; 221,326 222,327 ; 334.71,324.71 336,326 R9.1 ; U2.1 335.09,138.56 335.09,195.62 C6.2 334.71,241.43 336,242.71 C4.2 C3.2 448.01,242.34 527.76,242.34 U1.6 529.13,130.02 L1.1
  Top Layer w20: 252.71,326 336,326 ; 334.71,241.43 334.71,324.71
VSN: C12.2 J1.11 U3.2 | length 621.2
  Top Layer w12: v2(915,181) 915,200.45 C12.2 914.08,203.34 919.69,208.94 U3.2 ; v2(1097,608) 1106.07,617.07 J1.11
  PWR w12: v2(915,181) 1004,270 1004,515 v2(1097,608)
VSP: C9.2 J1.12 U3.9 | length 356.1
  Top Layer w12: v2(913,426) 913.04,425.96 913.04,407.41 C9.2 913.08,405.4 919.69,398.79 U3.9 ; J1.12 1043.11,628.89 v2(1051,621)
  PWR w15: v2(913,426) 913,483 v2(1051,621)
pads on no net: J1.3 J1.7 J1.10 J1.16 J1.18 J1.36 J1.39 J2.17 U2.4

## Polygon pours and split planes (outlines as drawn)
GND on Top Layer "GND_L01_P000" (solid, remove dead copper, pour order 0): 0,1160 30,1190 1160,1190 1185,1165 1185,20 1160,-5 30,-5 0,25 0,310
GND on GND "GND_L02_P002" (solid, remove dead copper, pour order 2): 0,1160 30,1190 1160,1190 1185,1165 1185,20 1160,-5 30,-5 0,25 0,310
GND on PWR "GND_L03_P003" (solid, remove dead copper, pour order 3): 0,1160 30,1190 1160,1190 1185,1165 1185,20 1160,-5 30,-5 0,25 0,310
GND on Bottom Layer "GND_L04_P001" (solid, remove dead copper, pour order 1): 0,1160 30,1190 1160,1190 1185,1165 1185,20 1160,-5 30,-5 0,25 0,310

## Keep-outs
Keep-Out Layer:
  the board outline again, w10

## Other copper
Top Layer:
  rectangle net VCC5V: 173,309 248,359
  rectangle net VCC3V3: 171,368 266,399

## Silkscreen, mask and mechanical layers (free items; w line width, h text height)
Top Overlay:
  text "LUBANCAT5_MIPIDSI_6INCH" at 252.37,1113.37 h60
  text "屏幕驱动IC:S6D6FT0A02" at 252.37,1063.37 h60
  text "触摸驱动IC:TSC" at 252.37,1013.37 h60
  text "分辨率：1080*2160" at 252.37,963.37 h60